# Altium PCB PCB1.PcbDoc (part 2 of 2) (continued)
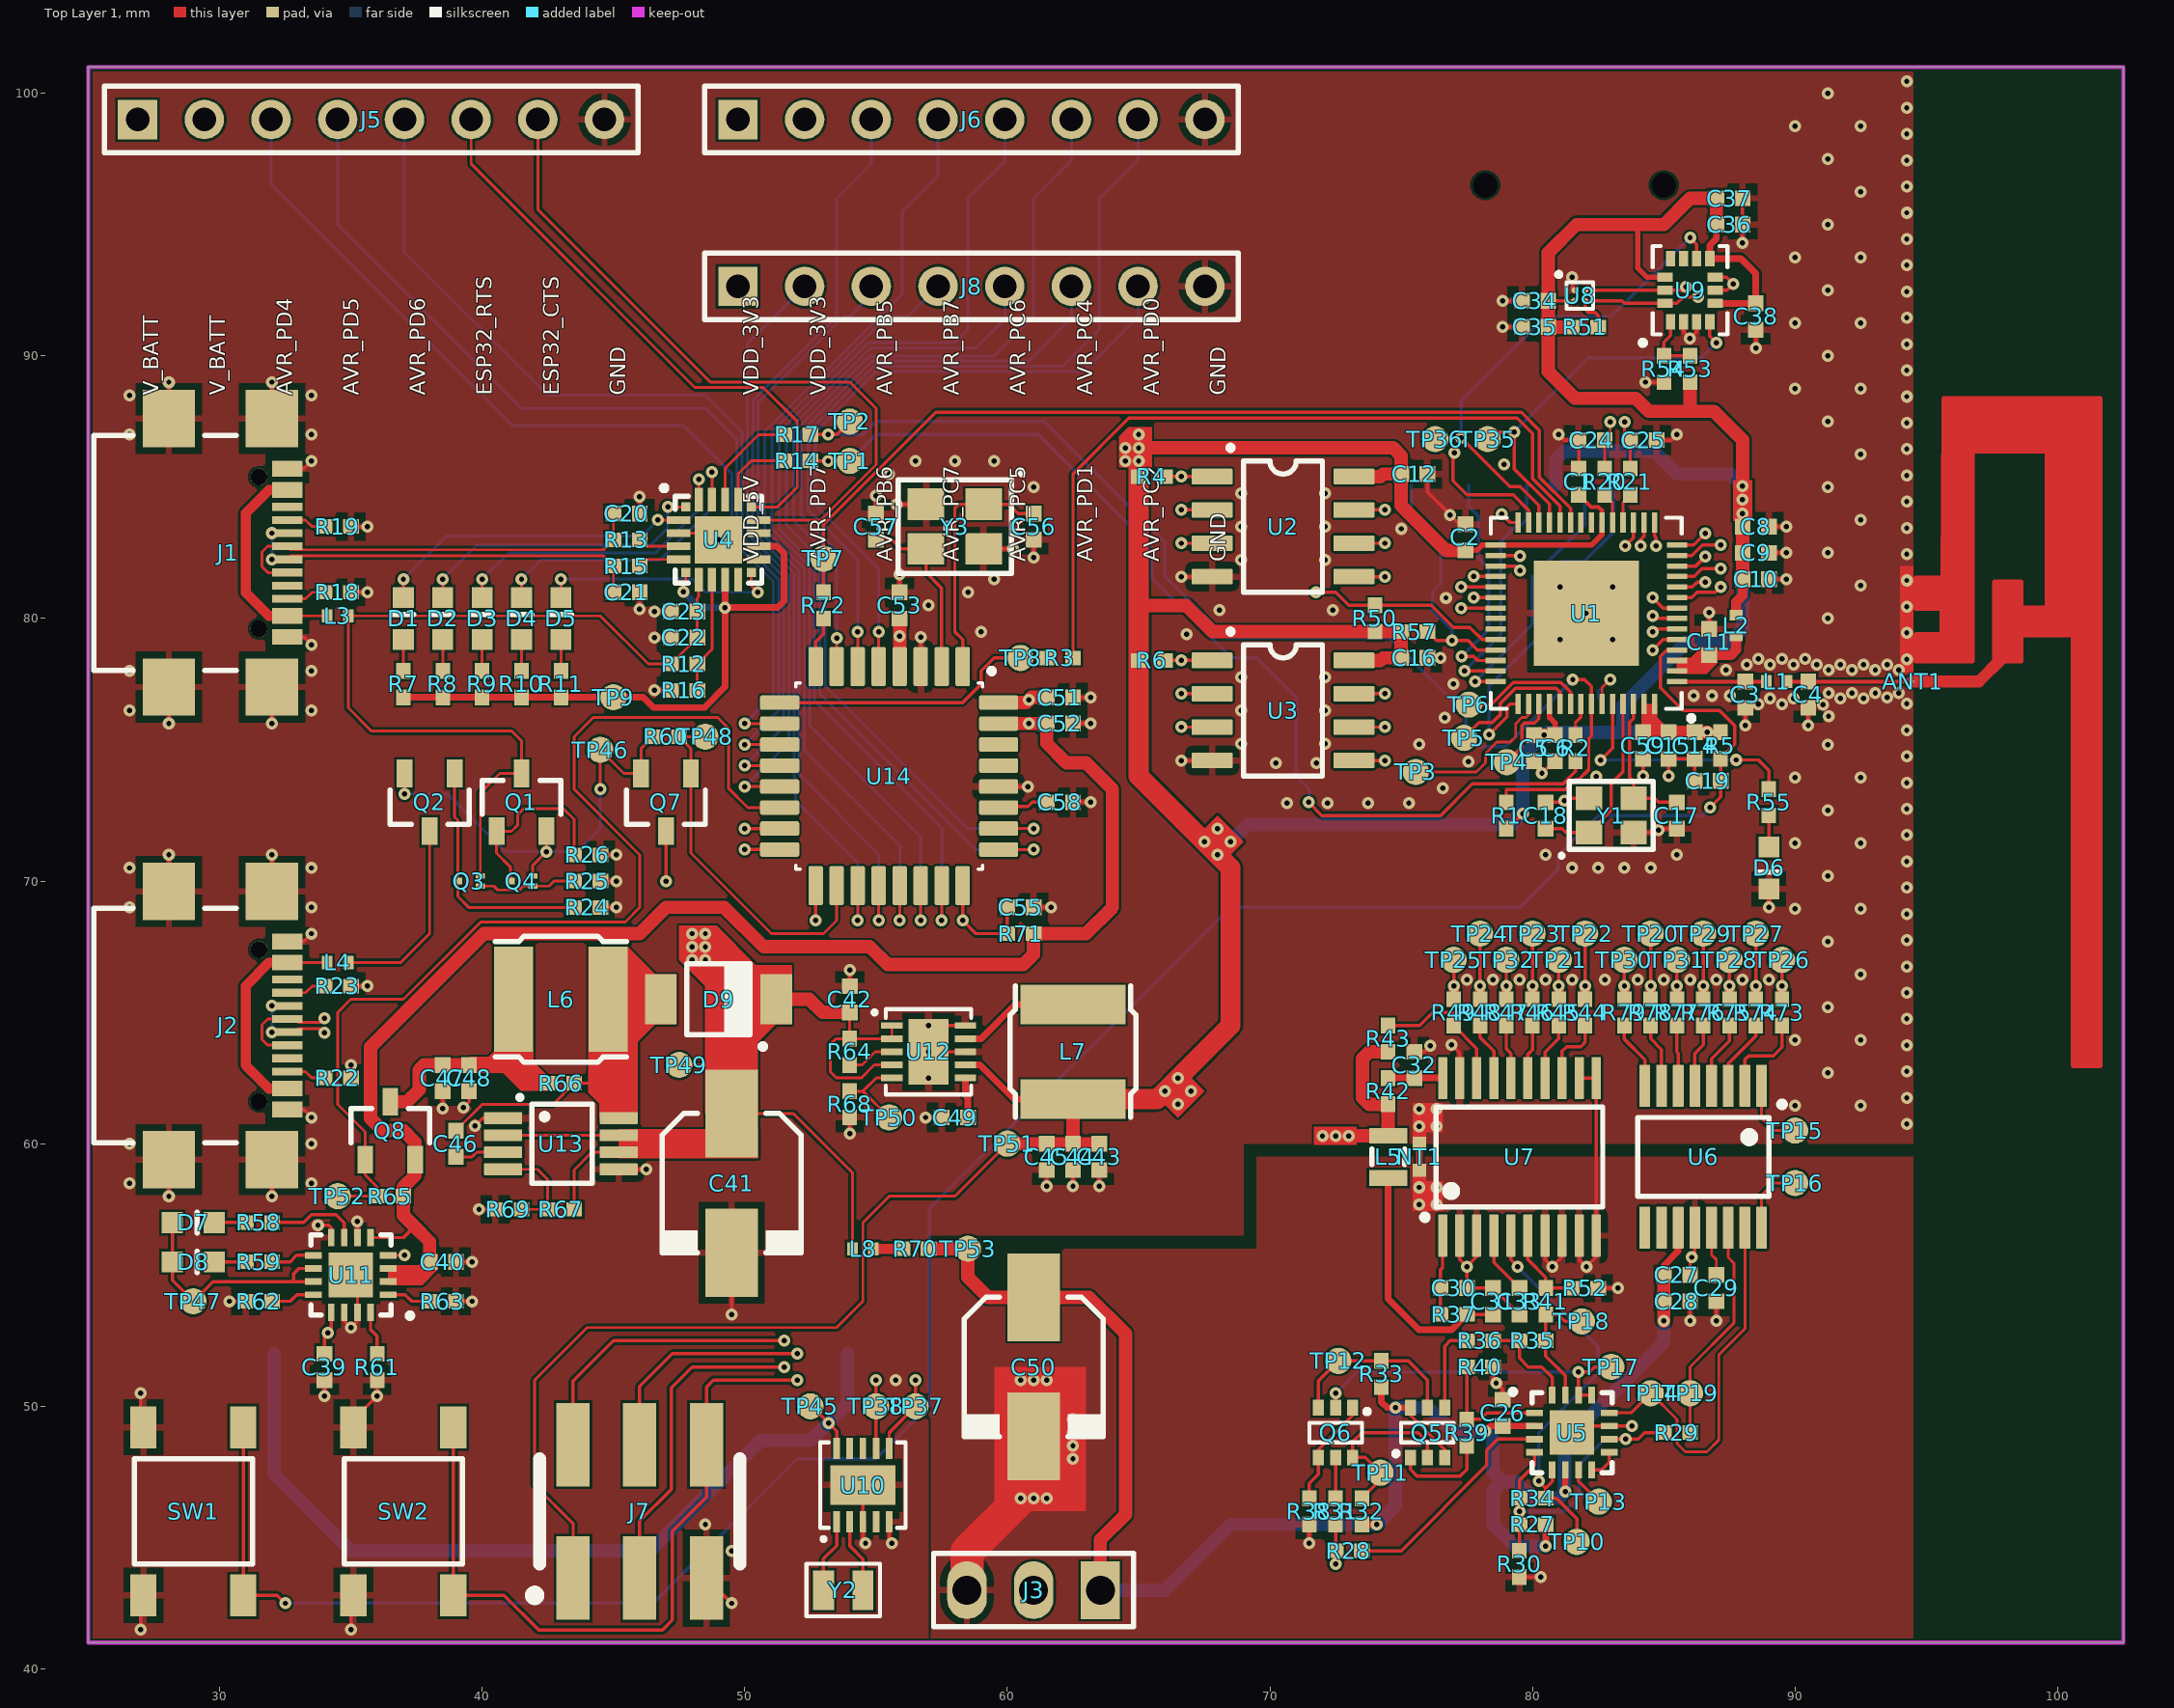
[diagram p0: Top Layer 1 view]
## Nets (pads, with @x,y where several pads share a name; then routed paths per layer and width w, separated by ;. In a path a pad name is that pad's centre, name@x,y a point inside that pad or via, vN(x,y) a via of type N, cw(c..) or ccw(c..) an arc to the next point about the centre after c; other vN are vias at no path point) (continued)
NetQ5_4: Q5.4 R36.1 | length 3.3
  Top Layer 1 w0.127: Q5.4@76.65,49.95 76.65,52.288 76.862,52.5 R36.1@77.5,52.5
NetQ5_5: Q5.5 Q6.3 R33.1 TP12.1 | length 6.8
  Top Layer 1 w0.127: Q6.3@71.85,49.95 71.85,50.971 TP12.1@72.609,51.729 R33.1@74.243,51.729 75.271,51.729 76,51 Q5.5@76,49.95
NetQ6_1: Q6.1 Q6.4 R38.2 | length 4.1
  Top Layer 1 w0.127: R38.2@71.5,46.5 71.5,47.06 71.85,47.41 Q6.4@71.85,48.05 71.85,48.35 73.15,49.65 Q6.1@73.15,49.95
NetQ6_2: Q6.2 TP17.1 U5.13 U5.14 | length 12.9
  Top Layer 1 w0.127: Q6.2@72.5,49.95 v1(72.5,50.5) ; U5.13@82.25,50.425 U5.14@81.75,50.425 v1(81.75,51.313) 82.171,51.313 82.358,51.5 TP17.1@83,51.5
  Bottom Layer 1 w0.127: v1(72.5,50.5) 73.313,51.313 v1(81.75,51.313)
NetQ6_5: Q6.5 R31.2 | length 1.6
  Top Layer 1 w0.127: R31.2@72.5,46.5 Q6.5@72.5,48.05
NetR2_1: R2.1 U1.49 | length 1.2
  Top Layer 1 w0.127: R2.1@81.636,75.566 81.636,75.935 ; 81.636,76.035 81.846,76.244 U1.49@81.846,76.746
NetR3_1: R3.1 U1.24 | length 29.4
  Top Layer 1 w0.127: R3.1@62.5,78.5 62.5,85.5 64.63,87.63 79.415,87.63 80,87.045 80,85.325 81.046,84.28 U1.24@81.046,83.654
NetR7_2: R7.2 R8.2 R9.2 R10.2 R11.2 TP9.1 U4.6 U4.9 U4.13 | length 24.7
  Top Layer 1 w0.107: v1(47.671,81.015) 47.671,81.343 47.75,81.422 U4.6@47.75,81.75
  Top Layer 1 w0.254: R7.2@37,77 R8.2@38.5,77 R10.2@41.5,77 R11.2@43,77 TP9.1@45,77 46.138,77 46.531,76.607 48.457,76.607 49.25,77.4 v1(49.25,80.417) ; U4.9@49.25,81.475 v1(49.25,80.417) ; U4.13@50.525,82.75 51.228,82.75 51.5,82.478 51.5,80.663 51.254,80.417 v1(49.25,80.417)
  Bottom Layer 1 w0.254: v1(47.671,81.015) 48.27,80.417 v1(49.25,80.417)
NetR12_2: R12.2 R16.2 U4.8 | length 4.4
  Top Layer 1 w0.107: R16.2@48.192,77.269 R12.2@48.192,78.269 ; R12.2@48.388,78.187 48.388,78.465 48.75,78.827 U4.8@48.75,81.475
NetR14_1: R14.1 U4.17 | length 2.9
  Top Layer 1 w0.107: U4.17@49.75,84.525 49.75,85.509 50.241,86 R14.1@51.5,86
NetR17_1: R17.1 U4.18 | length 4
  Top Layer 1 w0.107: U4.18@49.25,84.525 49.25,85.724 50.526,87 R17.1@51.5,87
NetR27_2: R27.2 R29.1 R30.2 R34.2 U5.4 U5.10 | length 12.1
  Top Layer 1 w0.127: R30.2@79.5,44.5 R27.2@79.5,45.5 v1(79.5,46) R34.2@79.5,46.5 79.5,47.184 80.075,47.759 U5.4@80.075,48.25 ; U5.10@82.925,48.75 v1(83.543,48.75) 84.019,48.75 84.269,49 R29.1@85,49
  Bottom Layer 1 w0.127: v1(79.5,46) 81.208,46 81.779,46.571 81.779,47.779 82.75,48.75 v1(83.543,48.75)
NetR28_2: R28.2 U5.3 | length 8.7
  Top Layer 1 w0.127: R28.2@73.5,44.5 75,44.5 78.258,47.758 78.258,48.322 78.686,48.75 U5.3@80.075,48.75
NetR34_1: R34.1 TP10.1 U5.5 U7.5 | length 15.6
  Top Layer 1 w0.127: U7.5@79.175,56.5 79.175,55.583 v1(79.437,55.321) ; v1(80.238,47.15) 80.5,46.888 ; U5.5@80.75,47.575 80.75,47.138 80.5,46.888 ; TP10.1@81.683,44.841 81.683,45.728 80.911,46.5 R34.1@80.5,46.5 80.5,46.888
  Bottom Layer 1 w0.127: v1(79.437,55.321) 82.5,52.258 82.5,51.256 80.238,48.993 v1(80.238,47.15)
NetR35_1: R35.1 R41.2 TP18.1 U5.15 | length 4.9
  Top Layer 1 w0.127: U5.15@81.25,50.425 81.25,51.17 80.5,51.92 R35.1@80.5,52.5 80.5,52.972 R41.2@80.5,53.5 80.972,53.5 81.238,53.234 TP18.1@81.88,53.234
NetR35_2: R35.2 R36.2 U5.16 | length 3.9
  Top Layer 1 w0.127: R36.2@78.5,52.5 R35.2@79.5,52.5 79.5,51.835 79.835,51.5 80.348,51.5 80.75,51.098 U5.16@80.75,50.425
NetR39_2: R39.2 R40.2 U5.1 | length 4.7
  Top Layer 1 w0.127: R40.2@77.5,51.5 R39.2@77.5,49.5 77.999,49.5 78.249,49.75 U5.1@80.075,49.75
NetR41_1: R41.1 R52.2 U7.6 | length 3.3
  Top Layer 1 w0.127: U7.6@79.825,56.5 79.825,55.583 80.5,54.908 R41.1@80.5,54.5 R52.2@81.5,54.5
NetR44_2: R44.2 U7.13 | length 2.7
  Top Layer 1 w0.127: U7.13@81.125,62.5 81.125,63.52 81.304,63.699 81.832,63.699 82,63.868 R44.2@82,64.5
NetR45_2: R45.2 U7.14 | length 2.2
  Top Layer 1 w0.127: U7.14@80.475,62.5 80.475,63.487 81,64.012 R45.2@81,64.5
NetR46_2: R46.2 U7.15 | length 2.1
  Top Layer 1 w0.127: U7.15@79.825,62.5 79.825,63.407 80,63.582 R46.2@80,64.5
NetR47_2: R47.2 U7.16 | length 2.1
  Top Layer 1 w0.127: R47.2@79,64.5 79,63.614 79.175,63.439 U7.16@79.175,62.5
NetR48_2: R48.2 U7.17 | length 2.2
  Top Layer 1 w0.127: R48.2@78,64.5 78,64.05 78.525,63.525 U7.17@78.525,62.5
NetR49_2: R49.2 U7.18 | length 2.4
  Top Layer 1 w0.127: R49.2@77,64.5 77.875,63.625 U7.18@77.875,62.5
NetR53_2: R53.2 R54.2 U9.1 | length 2.4
  Top Layer 1 w0.127: U9.1@85.25,91.293 85.25,90.771 85,90.521 R54.2@85,90 R53.2@86,90
NetR55_2: R55.2 U1.52 | length 9.6
  Top Layer 1 w0.127: v1(82.59,74.612) 83.046,75.067 U1.52@83.046,76.746 ; v1(87.762,74.615) 88.594,74.615 89,74.209 R55.2@89,73.5
  Bottom Layer 1 w0.127: v1(82.59,74.612) 82.594,74.615 v1(87.762,74.615)
NetR58_1: R58.1 U11.7 | length 3.6
  Top Layer 1 w0.127: R58.1@32,57 33.2,57 33.5,57.3 34.431,57.3 34.75,56.981 U11.7@34.75,56.425
NetR59_1: R59.1 U11.9 | length 1.7
  Top Layer 1 w0.127: R59.1@32,55.5 32.684,55.5 32.934,55.75 U11.9@33.575,55.75
NetR61_2: R61.2 U11.16 | length 1.7
  Top Layer 1 w0.127: U11.16@35.75,53.575 35.75,52.927 36,52.677 R61.2@36,52
NetR62_2: R62.2 U11.12 | length 1.7
  Top Layer 1 w0.127: R62.2@32,54 32.695,54 32.945,54.25 U11.12@33.575,54.25
NetR63_2: R63.2 U11.1 | length 1.7
  Top Layer 1 w0.127: U11.1@36.425,54.25 37.07,54.25 37.32,54 R63.2@38,54
NetR64_1: R64.1 U12.3 | length 1.8
  Top Layer 1 w0.107: R64.1@54,63 54.471,63 54.971,63.5 U12.3@55.603,63.5
NetR67_1: R67.1 R69.2 U13.4 | length 4
  Top Layer 1 w0.107: U13.4@40.8,59.025 42.109,59.025 42.5,58.634 R67.1@42.5,57.5 R69.2@41.5,57.5
NetR68_1: R68.1 TP50.1 U12.5 | length 3.2
  Top Layer 1 w0.107: R68.1@54,62 54.5,62 ; TP50.1@55.5,61 54.5,62 ; U12.5@55.603,62.5 55,62.5 54.5,62
NetR72_1: R72.1 U14.8 | length 2
  Top Layer 1 w0.127: U14.8@52.7,78.17 52.7,79.108 53,79.408 R72.1@53,80
NetR73_2: R73.2 U6.2 | length 3.4
  Top Layer 1 w0.127: U6.2@88.088,62.2 88.088,63.204 88.231,63.347 89.176,63.347 89.5,63.672 R73.2@89.5,64.5
NetR74_2: R74.2 U6.3 | length 2.7
  Top Layer 1 w0.127: U6.3@87.452,62.2 87.452,63.055 88.5,64.102 R74.2@88.5,64.5
NetR75_2: R75.2 U6.4 | length 2.6
  Top Layer 1 w0.127: U6.4@86.818,62.2 86.818,63.232 87.5,63.914 R75.2@87.5,64.5
NetR76_2: R76.2 U6.5 | length 2.4
  Top Layer 1 w0.127: U6.5@86.182,62.2 86.182,63.441 86.5,63.759 R76.2@86.5,64.5
NetR77_2: R77.2 U6.6 | length 2.3
  Top Layer 1 w0.127: R77.2@85.5,64.5 85.5,63.488 85.547,63.441 U6.6@85.547,62.2
NetR78_2: R78.2 U6.7 | length 2.5
  Top Layer 1 w0.127: R78.2@84.5,64.5 84.5,64 84.913,63.587 U6.7@84.913,62.2
NetR79_2: R79.2 U6.8 | length 2.6
  Top Layer 1 w0.127: R79.2@83.5,64.5 83.5,63.978 84.278,63.201 U6.8@84.278,62.2
NetTP13_1: TP13.1 U5.7 | length 1.5
  Top Layer 1 w0.127: U5.7@81.75,47.575 81.75,47.14 81.904,46.986 TP13.1@82.522,46.368
NetTP14_1: TP14.1 U5.12 U6.15 | length 14.6
  Top Layer 1 w0.107: U5.12@82.925,49.75 83.75,49.75 TP14.1@84.5,50.5 85.5,49.5 85.5,48.584 85.813,48.272 86.647,48.272 87.092,48.717 87.092,51.958 88.087,52.953 U6.15@88.087,56.8
NetTP15_1: TP15.1 U6.1 | length 2.7
  Top Layer 1 w0.107: U6.1@88.723,62.2 88.723,60.961 89.183,60.5 TP15.1@90,60.5
NetTP16_1: TP16.1 U6.16 | length 2.7
  Top Layer 1 w0.107: U6.16@88.722,56.8 88.723,58.039 89.183,58.5 TP16.1@90,58.5
NetTP44_1: TP44.1 U1.51 | length 1.9
  Top Layer 1 w0.107: U1.51@82.646,76.746 82.646,77.367 v1(82.957,77.678)
  Bottom Layer 1 w0.107: TP44.1@82.5,77 82.5,77.221 v1(82.957,77.678)
NetU5_8: U5.8 U5.9 | length 1.2
  Top Layer 1 w0.127: U5.8@82.25,47.575 82.633,47.575 82.925,47.867 U5.9@82.925,48.25
NetU10_1: U10.1 Y2.2 | length 2.8
  Top Layer 1 w0.127: Y2.2@53,43 53,44.193 53.5,44.693 U10.1@53.5,45.603
NetU10_2: U10.2 Y2.1 | length 2.8
  Top Layer 1 w0.127: U10.2@54,45.603 54,44.684 54.5,44.184 Y2.1@54.5,43
PCM1780_BCK: R78.1 TP20.1 U1.10 | length 24.7
  Top Layer 1 w0.127: v1(84.5,66) TP20.1@84.5,68 ; U1.10@85.5,81.2 86.087,81.2 86.275,81.388 v1(86.578,81.388)
  Top Layer 1 w0.381: R78.1@84.5,65.5 v1(84.5,66)
  Bottom Layer w0.127: v1(84.5,66) 84.5,66.312 82.221,68.591 80.974,69.838 80.974,71.991 80.733,72.231 80.733,73.497 81.663,74.427 81.663,76.499 82.245,77.081 82.245,79.618 84.196,81.569 85.309,81.569 85.49,81.388 v1(86.578,81.388)
PCM1780_DATA: R77.1 TP31.1 U1.9 | length 24.2
  Top Layer 1 w0.127: v1(85.5,66) TP31.1@85.5,67 ; U1.9@85.5,80.8 86.063,80.8 86.268,81.006 86.971,81.006 v1(87.159,81.193)
  Top Layer 1 w0.381: R77.1@85.5,65.5 v1(85.5,66)
  Bottom Layer w0.127: v1(85.5,66) 85.5,67.289 86.25,68.04 86.25,73.75 84.526,75.474 84.526,76.72 83.284,77.963 82.5,78.747 82.5,79.205 82.5,79.5 84.219,81.219 85.281,81.219 85.497,81.003 86.968,81.003 v1(87.159,81.193)
PCM1780_LRCK: R79.1 TP30.1 U1.11 | length 26
  Top Layer 1 w0.127: v1(83.5,66) TP30.1@83.5,67 ; U1.11@85.5,81.6 86.154,81.6 86.455,81.9 v1(87.159,81.9)
  Top Layer 1 w0.381: R79.1@83.5,65.5 v1(83.5,66)
  Bottom Layer w0.127: v1(83.5,66) 83.5,66.5 81.75,68.25 80.026,69.974 80.026,73.166 81.045,74.185 81.045,77.85 81.538,78.343 81.538,80.343 83.095,81.9 v1(87.159,81.9)
PCM1780_M\S\: R73.1 TP26.1 U1.5 | length 17.4
  Top Layer 1 w0.127: v1(84.571,78.8) 84.971,79.2 U1.5@85.5,79.2 ; v1(89.5,66) TP26.1@89.5,67
  Top Layer 1 w0.381: R73.1@89.5,65.5 v1(89.5,66)
  Bottom Layer w0.127: v1(84.571,78.8) 85.713,77.658 85.713,75.963 88.394,73.282 88.394,68.059 89.5,66.953 v1(89.5,66)
PCM1780_MC: R74.1 TP27.1 U1.6 | length 19
  Top Layer 1 w0.127: v1(84.571,79.5) 84.671,79.6 U1.6@85.5,79.6 ; v1(88.5,66) TP27.1@88.5,68
  Top Layer 1 w0.381: R74.1@88.5,65.5 v1(88.5,66)
  Bottom Layer w0.127: v1(84.571,79.5) 84.036,78.964 84.036,78.5 85.402,77.134 85.402,75.879 88.001,73.279 88.001,67.475 88.5,66.977 v1(88.5,66)
PCM1780_MD: R75.1 TP28.1 U1.7 | length 18.5
  Top Layer 1 w0.127: v1(84.571,80.1) 84.671,80 U1.7@85.5,80 ; v1(87.5,66) TP28.1@87.5,67
  Top Layer 1 w0.381: R75.1@87.5,65.5 v1(87.5,66)
  Bottom Layer w0.127: v1(84.571,80.1) 83.786,79.314 83.786,78.312 85.186,76.911 85.186,75.789 85.189,75.786 85.189,75.666 87.589,73.266 87.589,67.913 87.5,67.824 v1(87.5,66)
PCM1780_SCK: R76.1 TP29.1 U1.8 | length 20.6
  Top Layer 1 w0.127: v1(84.571,80.8) 84.971,80.4 U1.8@85.5,80.4 ; v1(86.5,66) TP29.1@86.5,68
  Top Layer 1 w0.381: R76.1@86.5,65.5 v1(86.5,66)
  Bottom Layer w0.127: v1(84.571,80.8) 83.5,79.729 83.5,78.165 84.841,76.823 84.841,75.588 87.175,73.254 87.175,68.998 86.5,68.323 v1(86.5,66)
SD_CD: J4.9 R57.1 TP39.1 U1.39 | length 9.7
  Top Layer 1 w0.127: R57.1@76,79.5 76.337,79.163 v1(76.935,79.163) 77.548,79.163 77.91,78.8 U1.39@78.591,78.8
  Bottom Layer 1 w0.127: J4.9@75.38,85.08 75.38,83.984 TP39.1@75.942,83.422 76.504,82.86 76.504,81.333 76.191,81.02 76.191,80.309 76.935,79.565 v1(76.935,79.163)
SD_CLK: J4.5 TP41.1 U1.41 | length 9.3
  Top Layer 1 w0.127: v1(77.409,78) U1.41@78.591,78
  Bottom Layer 1 w0.127: v1(77.409,78) 78.796,79.387 78.796,82.921 TP41.1@79.437,83.563 ; TP41.1@79.5,83.5 79.78,83.78 J4.5@79.78,85.08
SD_CS: J4.2 TP43.1 U1.43 | length 13.8
  Top Layer 1 w0.127: v1(78.347,75.579) 79.03,76.262 79.03,76.617 79.159,76.746 U1.43@79.446,76.746
  Bottom Layer 1 w0.127: v1(78.347,75.579) 78.347,77.426 80.473,79.553 80.473,81.555 81.091,82.173 TP43.1@81.966,82.173 83.08,83.287 J4.2@83.08,85.08
SD_MISO: J4.7 TP40.1 U1.40 | length 8.6
  Top Layer 1 w0.127: v1(77.299,78.552) 77.763,78.552 77.914,78.4 U1.40@78.591,78.4
  Bottom Layer 1 w0.127: v1(77.299,78.552) 78.323,79.575 78.323,81.923 77.951,82.294 TP40.1@77.951,83.301 77.951,83.888 77.58,84.26 J4.7@77.58,85.08
SD_MOSI: J4.3 TP42.1 U1.42 | length 10.2
  Top Layer 1 w0.127: v1@77.639,77.6 U1.42@78.591,77.6
  Bottom Layer 1 w0.127: v1(77.815,77.6) 80,79.785 80,81.578 TP42.1@81.98,83.558 J4.3@81.98,85.08
SPI_SCK: R45.1 TP21.1 U1.17 | length 23.5
  Top Layer 1 w0.127: v1(83.529,82.762) 83.846,83.078 U1.17@83.846,83.654 ; v1(81,66) TP21.1@81,67 v1(81,66)
  Top Layer 1 w0.381: R45.1@81,65.5 v1(81,66)
  Bottom Layer w0.127: v1(81,66) 81,67.5 78.585,69.915 78.585,73.661 79.782,74.858 79.782,79.321 83.222,82.762 v1(83.529,82.762)
SPI_SDI: R46.1 TP23.1 U1.16 | length 25.2
  Top Layer 1 w0.127: v1(80,66) TP23.1@80,68 ; v1(84.117,82.762) 84.117,82.999 84.246,83.128 U1.16@84.246,83.654
  Top Layer 1 w0.381: R46.1@80,65.5 v1(80,66)
  Bottom Layer w0.127: v1(80,66) 80,67.735 78.039,69.696 78.039,73.42 79.566,74.947 79.566,80.397 80.473,81.305 82.364,83.196 83.683,83.196 v1(84.117,82.762)
SPI_SDO: R47.1 TP32.1 U1.15 | length 25.2
  Top Layer 1 w0.127: v1(79,66) TP32.1@79,67 ; U1.15@84.646,83.654 84.646,83.14 84.704,83.081 v1(84.704,82.762)
  Top Layer 1 w0.381: R47.1@79,65.5 v1(79,66)
  Bottom Layer w0.127: v1(79,66) 79,68 77.5,69.5 77.5,73.187 79.35,75.036 79.35,80.486 80.333,81.47 82.363,83.5 84,83.5 84.704,82.796 v1(84.704,82.762)
SPICLK: U1.33 U2.6 U3.6 | length 15.3
  Top Layer 1 w0.127: U3.6@73.2,75.865 v1(74.375,75.865) ; U2.6@73.2,82.865 v1(74.375,82.865) ; v1@77.276,81.2 77.953,81.2 U1.33@78.591,81.2
  Bottom Layer w0.127: v1(74.375,75.865) 74.96,76.45 74.96,77.202 73.658,78.504 73.658,82.148 v1(74.375,82.865) 76.04,81.2 v1(77.276,81.2)
SPICS0: R6.1 U1.32 U3.1 | length 24.3
  Top Layer 1 w0.127: R6.1@66,78.405 U3.1@67.8,78.405 ; v1@77.761,81.621 77.782,81.6 U1.32@78.591,81.6
  Bottom Layer w0.127: v1(66.625,78.405) 66,77.78 66,77.057 69.285,73.772 75.484,73.772 78.254,76.542 78.254,81.128 v1@77.761,81.621
  other v1: 77.761,81.6
SPICS1: R4.1 U1.28 U2.1 | length 15.3
  Top Layer 1 w0.127: R4.1@66,85.405 U2.1@67.8,85.405 ; v1(78.825,83.976) 79.146,83.654 U1.28@79.446,83.654
  Bottom Layer w0.127: v1(66.625,85.405) 77.395,85.405 v1(78.825,83.976)
SPID: U1.35 U2.5 U3.5 | length 15.1
  Top Layer 1 w0.127: U3.5@73.2,74.595 v1(74.375,74.595) ; U2.5@73.2,81.595 v1(74.375,81.595) ; v1(77.276,80.4) 77.953,80.4 U1.35@78.591,80.4
  Bottom Layer w0.127: v1(74.375,74.595) 75.582,75.802 75.582,78.285 74.375,79.492 v1(74.375,81.595) 74.941,81.595 76.136,80.4 76.497,80.4 76.903,80.4 v1(77.276,80.4)
SPIHD: U1.30 U2.7 U3.7 | length 17.3
  Top Layer 1 w0.127: U3.7@73.2,77.135 v1(74.375,77.135) ; U2.7@73.2,84.135 v1(74.375,84.135) ; U1.30@78.591,82.4 79.495,82.4 v1(79.518,82.377)
  Bottom Layer w0.127: v1(74.375,77.135) 73,78.51 73,82.76 v1(74.375,84.135) 76.106,84.135 77.864,82.377 v1(79.518,82.377)
SPIQ: U1.34 U2.2 U3.2 | length 29.2
  Top Layer 1 w0.127: v1(66.625,77.135) U3.2@67.8,77.135 ; v1(66.625,84.135) U2.2@67.8,84.135 ; v1(77.761,80.8) U1.34@78.591,80.8
  Bottom Layer w0.127: v1(66.625,84.135) 67.5,83.26 67.5,78.01 v1(66.625,77.135) 68.483,75.277 68.483,74.983 69.381,74.085 75.227,74.085 76.07,74.928 76.07,79.313 76.586,79.829 77.44,79.829 77.761,80.151 v1(77.761,80.8)
SPIWP: U1.31 U2.3 U3.3 | length 31.1
  Top Layer 1 w0.127: v1(66.625,75.865) U3.3@67.8,75.865 ; v1(66.625,82.865) U2.3@67.8,82.865 ; U1.31@78.591,82 79.341,82 v1(79.518,81.822)
  Bottom Layer w0.127: v1(66.625,82.865) 65.691,81.931 65.691,76.799 v1(66.625,75.865) 68.99,73.5 75.695,73.5 78.582,76.387 78.582,80.885 v1(79.518,81.822)
UART_ESP32RX_AVRTX: R3.2 TP8.1 U14.9 | length 11.2
  Top Layer 1 w0.127: U14.9@51.33,76.8 58.3,76.8 59,77.5 59,78 59.5,78.5 TP8.1@60.5,78.5 R3.2@61.5,78.5
UART_ESP32TX_AVRRX: R72.2 TP7.1 U1.23 | length 35.9
  Top Layer 1 w0.127: R72.2@53,81 53,83.571 57.275,87.846 79.578,87.846 80.25,87.173 80.25,85.398 81.446,84.203 U1.23@81.446,83.654
USB1_N: C21.2 J1.A7 J1.B7 R15.1 | length 14.6
  Top Layer 1 w0.107: J1.A7@32.575,82.25 32.708,82.383 44.617,82.383 R15.1@45,82 C21.2@45,81
  Bottom Layer 1 w0.107: v1(32,82.25) v1(32,83.25)
USB1_P: C20.2 J1.A6 J1.B6 R13.1 | length 16.3
  Top Layer 1 w0.107: J1.B6@32.575,81.75 31.838,81.75 31.617,81.971 31.617,82.529 31.838,82.75 J1.A6@32.575,82.75 32.708,82.617 44.617,82.617 R13.1@45,83 C20.2@45,84
USB2_N: C25.2 J2.A7 J2.B7 R21.1 | length 73.4
  Top Layer 1 w0.107: J2.A7@33,64.38 33.843,64.38 v1(34,64.223) ; v1(83.514,87.482) 83.514,87.494 83.507,87.5 83.507,87.007 C25.2@83.719,86.795 R21.1@83.719,85.714
  Bottom Layer w0.107: v1(34,64.223) 34.154,64.377 47.591,64.377 49.474,66.26 49.474,72.234 49.934,72.693 61.684,72.693 64,75.009 64,83.798 68.202,88 77.168,88 78.903,86.266 82.717,86.266 83.355,86.903 83.355,87.323 v1(83.514,87.482)
  Bottom Layer 1 w0.107: v1(32,64.25) v1(32,65.25)
USB2_P: C24.2 J2.A6 J2.B6 R20.1 | length 74.7
  Top Layer 1 w0.107: J2.B6@32.575,63.75 31.838,63.75 31.617,63.971 31.617,64.529 31.838,64.75 J2.A6@32.575,64.75 ; J2.A6@33,64.615 33.843,64.615 v1(34,64.772) ; R20.1@82.746,85.714 C24.2@82.746,86.795 82.958,87.007 82.958,87.5 82.961,87.497 v1(82.961,87.493)
  Bottom Layer w0.107: v1(34,64.772) 34.16,64.612 47.494,64.612 49.24,66.357 49.24,72.331 49.836,72.928 61.587,72.928 63.766,75.106 63.766,83.895 68.105,88.234 77.266,88.234 79,86.5 82.62,86.5 83.12,87 83.12,87.334 v1(82.961,87.493)
USB_VBUS: Q1.2 Q2.2 Q4.2 Q7.2 R60.2 TP46.1 | length 17.9
  Top Layer 1 w0.107: v1(37.05,73.32) Q2.2@37.05,74.1 ; Q4.2@41.93,70.19 41.93,70.6 v1(42.45,71.12) Q1.2@42.45,71.9 ; v1(44.5,73.5) TP46.1@44.5,75 45.4,74.1 Q7.2@46.05,74.1 46.05,75.05 R60.2@46.5,75.5
  Bottom Layer 1 w0.107: v1(37.05,73.32) 38.68,73.32 40.88,71.12 v1(42.45,71.12) 43.62,71.12 44.5,72 v1(44.5,73.5)
V_BATT: C40.2 C51.2 C52.2 C53.2 J5.1 J5.2 Q8.2 R65.2 R71.1 U11.2 U11.3 U11.5 U14.4 U14.31 U14.32 | length 106.1
  Top Layer 1 w0.127: U11.5@35.75,56.425 37,56.425 37.423,56.848
  Top Layer 1 w0.508: C40.2@38,55.5 38,56.27 37.423,56.848 37,57.27 R65.2@37,58 37,58.348 37.45,58.798 Q8.2@37.45,59.4 37.45,60.05 37,60.5 36.206,60.5 35.749,60.956 35.749,63.689 40.061,68 46,68 47,69 49.219,69 50.715,67.504 54.758,67.504 55.441,66.82 60.615,66.82 61,67.205 R71.1@61,68 63,68 64,69 64,73.5 63,74.5 62.25,74.5 61.5,75.25 C52.2@61.5,76 v1(60.824,76) U14.31@59.67,76 ; U14.4@55.9,78.17 v1(55.9,79.324) C53.2@55.9,80 ; U14.32@59.67,76.8 60.723,76.8 v1(60.824,76.9) 60.924,77 C51.2@61.5,77
  Bottom Layer w0.762: J5.1@26.88,99 J5.2@29.42,99 29.42,95.593 38.013,87 49.5,87 55.9,80.6 v1(55.9,79.324) 55.9,78.6 56.5,78 60.324,78 60.824,77.5 v1(60.824,76.9) v1(60.824,76)
VDD_3V3: C1.2 C2.2 C5.2 C6.2 C8.2 C9.2 C10.2 C12.2 C14.2 C15.2 C16.2 C34.1 C35.2 C36.2 C37.2 C38.2 C43.2 C44.2 C45.2 C59.2 J4.4 J6.1 J6.2 J7.1 L2.1 L5.2 L7.2 R1.2 R4.2 R5.2 R6.2 R42.2 R43.2 R50.2 R51.2 R53.1 R57.2 TP51.1 U1.20 U1.29 U1.46 U1.55 U1.56 U2.8 U3.8 U8.B1 U9.5 U9.8 U9.12 U12.7 | length 234.5
  Top Layer 1 w0.107: J7.1@43.46,43.46 43.46,45.54 42,47 42,51 44,53 53.5,53 54.5,54 54.5,57 55.5,58 58,58 TP51.1@60,60
  Top Layer 1 w0.127: R1.2@79.058,72 v1(79.625,72.568) ; C34.1@80.6,92.1 U8.B1@81.6,92.1
  Top Layer 1 w0.152: C1.2@81.757,84.714 82.231,84.24 82.514,84.24 82.646,84.108 U1.20@82.646,83.654
  Top Layer 1 w0.203: C2.2@77.451,82.595 77.877,82.595 78.082,82.8 U1.29@78.591,82.8 82.25,82.8 82.646,83.196 U1.20@82.646,83.654 ; U1.46@80.646,76.746 80.646,76.23 80.856,76.02 ; C6.2@80.856,75.563 80.856,75.92 ; 84,95 84.009,94.991 84.009,93.34 84.349,93 U9.12@85.041,93 ; C59.2@84.206,75.666 84.246,75.706 U1.55@84.246,76.746 ; U1.56@84.646,76.746 84.646,76.207 C15.2@85.187,75.666
  Top Layer 1 w0.254: U12.7@58.397,63 58.961,63 60.261,61.7 L7.2@62.5,61.7 ; U9.5@86.959,92 88.5,92 88.5,93.145 87.938,93.706 U9.8@86.75,93.706 86.75,94.213 87,94.463 C36.2@87,95
  Top Layer 1 w0.381: R1.2@79,72 R1.2@79.058,72 ; L2.1@87.761,80.13 87.761,80.638 88,80.878 C10.2@88,81.5
  Top Layer 1 w0.508: TP51.1@60,60 C45.2@61.5,60 C43.2@63.5,60 ; C44.2@62.5,60 L7.2@62.5,61.7 ; 65,80.5 66.81,80.5 67.81,79.5 R57.2@75,79.5 C16.2@75,78.5 74.307,78.5 74.212,78.405 U3.8@73.2,78.405 ; v1(65,86) v1(65,86.5) 74.694,86.5 75,86.194 C12.2@75,85.5 ; v1(73,60.3) L5.2@74.5,60.3 R42.2@74.5,61.5 73.776,61.5 73.521,61.755 73.521,63.245 73.776,63.5 R43.2@74.5,63.5 ; U2.8@73.2,85.405 74.212,85.405 74.307,85.5 C12.2@75,85.5 ; C2.2@77.451,82.595 76.709,82.595 75,84.304 C12.2@75,85.5 ; C5.2@80.051,75.563 v1(80.449,75.563) C6.2@80.856,75.563 ; R51.2@81.5,91.1 C35.2@80.6,91.1 ; C59.2@84.206,75.666 C15.2@85.187,75.666 C14.2@86.168,75.666 v1(86.659,75.666) ; R53.1@86,89 86,87.891 ; C36.2@87,95 C37.2@87,96 86,96 85,95 84,95 81.674,95 80.6,93.926 C34.1@80.6,92.1 C35.2@80.6,91.1 ; C10.2@88,81.5 C9.2@88,82.5 C8.2@88,83.5 v1(88,84) ; v1(88,85.039) 88,86.794 86.903,87.891 86,87.891 ; C35.2@80.6,91.1 80.6,89.4 81.612,88.388 83.919,88.388 84.416,87.891 86,87.891
  Top Layer 1 w0.762: L7.2@62.5,61.7 65.7,61.7 v1(66,62) v1(66.5,62.5) 68.5,64.5 68.5,69 68.5,70.5 v1(67.5,71.5) 65,74 R6.2@65,78.405 65,80.5 R4.2@65,85.405 v1(65,86)
  Bottom Layer w0.508: v1(66.5,61.5) 67.7,60.3 v1(72,60.3)
  Bottom Layer w0.762: J6.1@49.735,99 J6.1@49.74,99 J6.2@52.28,99 53.545,97.735 53.545,91.492 55.038,90 61,90 v1(64.5,86.5)
  Bottom Layer 1 w0.508: v1(68.5,71.5) 69.155,72.155 79.213,72.155 v1(79.625,72.568) 79.625,74.74 v1(80.449,75.563) 80.551,75.666 83.446,75.666 ; J4.4@80.88,85.08 80.88,86.052 81.204,86.376 84.624,86.376 85.5,85.5 87.539,85.5 v1(88,85.039) v1(88,84) 88,79.6 87.5,79.1 85.858,79.1 83.446,76.688 83.446,75.666 ; v1(86.659,75.666) 83.446,75.666
  other v1: 72.5,60.3 67,62 68,71 68,72 88,84.52 64.5,86 65,87
VDD_5V: C41.1 C42.2 D9.1 J8.1 L8.1 R64.2 R67.2 TP49.1 U12.1 U12.2 U12.4 U13.2 U13.6 U13.7 | length 83
  Top Layer 1 w0.107: U13.2@40.8,60.325 U13.7@45.2,60.325 ; R67.2@43.5,57.5 43.5,59 44.175,59.675 U13.6@45.2,59.675 ; TP49.1@47.5,63 49.5,63 C41.1@49.5,61.15 51.85,61.15 54.1,58.9 L8.1@54.1,56 ; C42.2@54,65 R64.2@54,64 ; U12.4@55.603,63 54.93,63 54.43,62.5 53.5,62.5 53.252,62.748 53.252,63.782 53.47,64 R64.2@54,64 ; U12.1@55.603,64.5 U12.2@55.603,64 R64.2@54,64
  Top Layer 1 w0.508: D9.1@51.2,65.5 52.455,65.5 52.955,65 C42.2@54,65
  Bottom Layer w0.762: v1@47.988,68 47.988,70.512 46.5,72 46.5,75.319 48.132,76.951 51.549,76.951 54,74.5 61,74.5 62,75.5 62,86.5 60,88.5 52.513,88.5 49.74,91.273 J8.1@49.74,92.65
  other v1: 48,67 48.5,67 48,67.5 48.5,67.5 48,68 48.5,68
VDD_5VA: C26.2 C27.2 C28.2 C50.1 J3.1 Q5.3 Q5.6 R27.1 R32.2 R33.2 R70.2 TP53.1 U5.2 U5.6 U6.11 | length 70.2
  Top Layer 1 w0.127: Q5.6@75.35,49.95 75.35,49.65 76.65,48.35 Q5.3@76.65,48.05 ; C26.2@78.857,49.25 U5.2@80.075,49.25
  Top Layer 1 w0.254: R32.2@73.5,45.5 v1(74.072,45.5) ; R33.2@74.243,50.729 74.243,50.161 74.454,49.95 v1(74.778,49.95) Q5.6@75.35,49.95 ; v1(78.205,49.053) 78.402,49.25 C26.2@78.857,49.25 U5.2@80.075,49.25 ; v1(80.5,44.679) R27.1@80.5,45.5 ; v1(81.25,46.754) U5.6@81.25,47.575 ; C27.2@85,55 85,55.361 85.547,55.908 U6.11@85.547,56.8
  Top Layer 1 w0.508: R70.2@57,56 TP53.1@58.5,56 58.5,54.921 59.271,54.15 C50.1@61,54.15 63.116,54.15 64.5,52.766 64.5,45.88 63.54,44.92 J3.1@63.54,43 ; v1(85,53.25) C28.2@85,54 C27.2@85,55
  Bottom Layer 1 w0.508: J3.1@63.54,43 66,43 68.5,45.5 v1(74.072,45.5) 74.778,46.206 v1(74.778,49.95) 76.05,49.95 76.947,49.053 v1(78.205,49.053) 78.482,48.776 78.482,47.489 78.836,47.135 ; v1(80.5,44.679) 79.321,44.679 78.5,45.5 78.5,46.799 78.836,47.135 ; v1@81.219,46.785 81.219,48.663 85,52.443 v1(85,53.25) ; v1(81.25,46.754) 80.999,46.503 80.005,46.503 79.374,47.135 78.836,47.135
pads on no net: J1. J1.A8 J1.B8 J2. J2.A8 J2.B8 J4.0 J4.1 J4.8 U1.21 U1.22 U1.36 U1.37 U4.10 U4.14 U6.9 U6.10 U9.10 U9.11 U10.4 U10.8 U10.9 U14.29 U14.30

## Polygon pours and split planes (outlines as drawn)
A_GND on Top Layer "NONET_L02_P-001" (solid, pour order 4): 69,56.5 57,56.5 57,41 94.5,41 94.5,60 69,60
GND on Top Layer "NONET_L02_P-001" (solid, pour order 3): 69,60 69,56.5 57,56.5 57,41 25,41 25,101 94.5,101 94.5,60
A_GND on Top Layer 1 "NONET_L02_P-001" (solid, pour order 1): 69,56.5 57,56.5 57,41 94.5,41 94.5,60 69,60
GND on Top Layer 1 "NONET_L02_P-001" (solid, pour order 0): 69,60 69,56.5 57,56.5 57,41 25,41 25,101 94.5,101 94.5,60
A_GND on Bottom Layer "NONET_L02_P-001" (solid, pour order 6): 69,56.5 57,56.5 57,41 94.5,41 94.5,60 69,60
GND on Bottom Layer "NONET_L02_P-001" (solid, pour order 5): 69,60 69,56.5 57,56.5 57,41 25,41 25,101 94.5,101 94.5,60
A_GND on Bottom Layer 1 "NONET_L02_P-001" (solid, pour order 8): 69,56.5 57,56.5 57,41 94.5,41 94.5,60 69,60
GND on Bottom Layer 1 "NONET_L02_P-001" (solid, pour order 7): 69,60 69,56.5 57,56.5 57,41 25,41 25,101 94.5,101 94.5,60

## Keep-outs
Keep-Out Layer:
  the board outline again, w0.152

## Other copper
Top Layer 1:
  rectangle net GND: 94,77.924 94.5,82
  rectangle net VDD_3V3: 71.677,59.947 73.311,60.661
  rectangle net GND: 75.435,60.426 76.588,61.557
  rectangle net A_GND: 75.435,57.444 76.588,58.574
  rectangle net A_GND: 59.5,46 63,51.5
  rectangle net VDD_3V3: 87.642,83.709 88.366,85.276
  pour cut-out: 94.5,60 94.5,59.5 69.5,59.5 69.5,56 57,56 57,56.5 69,56.5 69,60
  region net VDD_3V3: 67.5,62 66.5,61 65.5,62 66.5,63
  region net VDD_3V3: 64.256,85.75 64.256,86.933 64.611,87.288 65.5,87.288 65.5,85.75
  region net NetC11_2: 85.5,77.898 85.5,78.502 86.033,78.502 86.431,78.9 87.031,78.9 87.031,78.3 86.63,77.898
  region net VDD_3V3: 84.646,76.207 84.646,76.746 84.246,76.746 84.246,75.666 85.187,75.666
  region net VDD_3V3: 69,71.5 68,70.5 67,71.5 68,72.5
  region net VDD_5V: 48.5,66 47.5,67 47.5,68.303 48.93,68.303 50.428,66.805 51.8,66.805 51.8,64.55 51.2,64.55 50.5,63.85 50.5,61.15 48.5,61.15
  region net VDD_5V: 45.2,59.45 50.5,59.45 50.5,60.55 45.2,60.55
  region net V_BATT: 36.425,55.375 36.425,54.625 37.725,54.625 38.3,55.2 38.3,55.8 37.7,55.8 37.7,55.5 37.575,55.375
  region net NetC47_2: 42.5,62.575 41.95,63.125 41.95,63.5 40.45,63.5 40.25,63.3 39.5,63.3 39.5,62.7 40.8,62.7 41.475,62.025 42.5,62.025
  region net NetC46_1: 45.925,60.975 45.925,64.006 44.05,64.006 44.05,61.95 44.475,61.525 44.475,60.975
  region net NetC46_1: 47.4,66.45 46.6,66.45 45.55,67.5 44.05,67.5 44.05,63.5 45.55,63.5 46.6,64.55 47.4,64.55
  region net NetANT1_1: 94,77.6 94.425,77.828 94.741,77.828 94.741,77.372 94.425,77.372
Bottom Layer:
  rectangle net VDD_3V3: 71.677,59.947 73.311,60.661
  rectangle net VDD_5V: 47.521,66.72 48.906,68.288
  rectangle net VDD_3V3: 64.256,85.75 65.278,87.288
  region net VDD_3V3: 67.5,62 66.5,61 65.5,62 66.5,63
Bottom Layer 1:
  region net VDD_3V3: 69,71.5 68,70.5 67,71.5 68,72.5

## Silkscreen, mask and mechanical layers (free items; w line width, h text height)
Top Overlay:
  text "V_BATT" at 27.88,88.5 h1 r90
  text "V_BATT" at 30.42,88.5 h1 r90
  text "AVR_PD4" at 32.96,88.5 h1 r90
  text "AVR_PD5" at 35.5,88.5 h1 r90
  text "AVR_PD6" at 38.04,88.5 h1 r90
  text "ESP32_RTS" at 40.58,88.5 h1 r90
  text "ESP32_CTS" at 43.12,88.5 h1 r90
  text "GND" at 45.66,88.5 h1 r90
  text "VDD_3V3" at 50.74,88.5 h1 r90
  text "VDD_3V3" at 53.28,88.5 h1 r90
  text "AVR_PB5" at 55.82,88.5 h1 r90
  text "AVR_PB7" at 58.36,88.5 h1 r90
  text "AVR_PC6" at 60.9,88.5 h1 r90
  text "AVR_PC4" at 63.44,88.5 h1 r90
  text "AVR_PD0" at 65.98,88.5 h1 r90
  text "GND" at 68.52,88.5 h1 r90
  text "VDD_5V" at 50.74,82.15 h1 r90
  text "AVR_PD7" at 53.28,82.15 h1 r90
  text "AVR_PB6" at 55.82,82.15 h1 r90
  text "AVR_PC7" at 58.36,82.15 h1 r90
  text "AVR_PC5" at 60.9,82.15 h1 r90
  text "AVR_PD1" at 63.44,82.15 h1 r90
  text "AVR_PC2" at 65.98,82.15 h1 r90
  text "GND" at 68.52,82.15 h1 r90
Bottom Overlay:
  drawing of 25 lines, arcs and shapes, not listed
  text "ENSC 405W | Prototype PCB V1 / March 2022" at 74.471,66.346 h1.2
Top Solder:
  rectangle: 94.5,41 102.5,101
  lines w0.762: 73.5,65 70,65 70,45.5 70,42 92.5,42 92.5,44.5 92.5,65 90.5,65